# Altium PCB PCB.PcbDoc
Units mil, origin at the board's own origin, x right, y up, seen from the top; angles counter-clockwise.
Board outline 1417.32 x 1299.21 mil, 2 copper layers (Top Layer, Bottom Layer); 76 components, 82 nets, 359 pads, 137 vias.
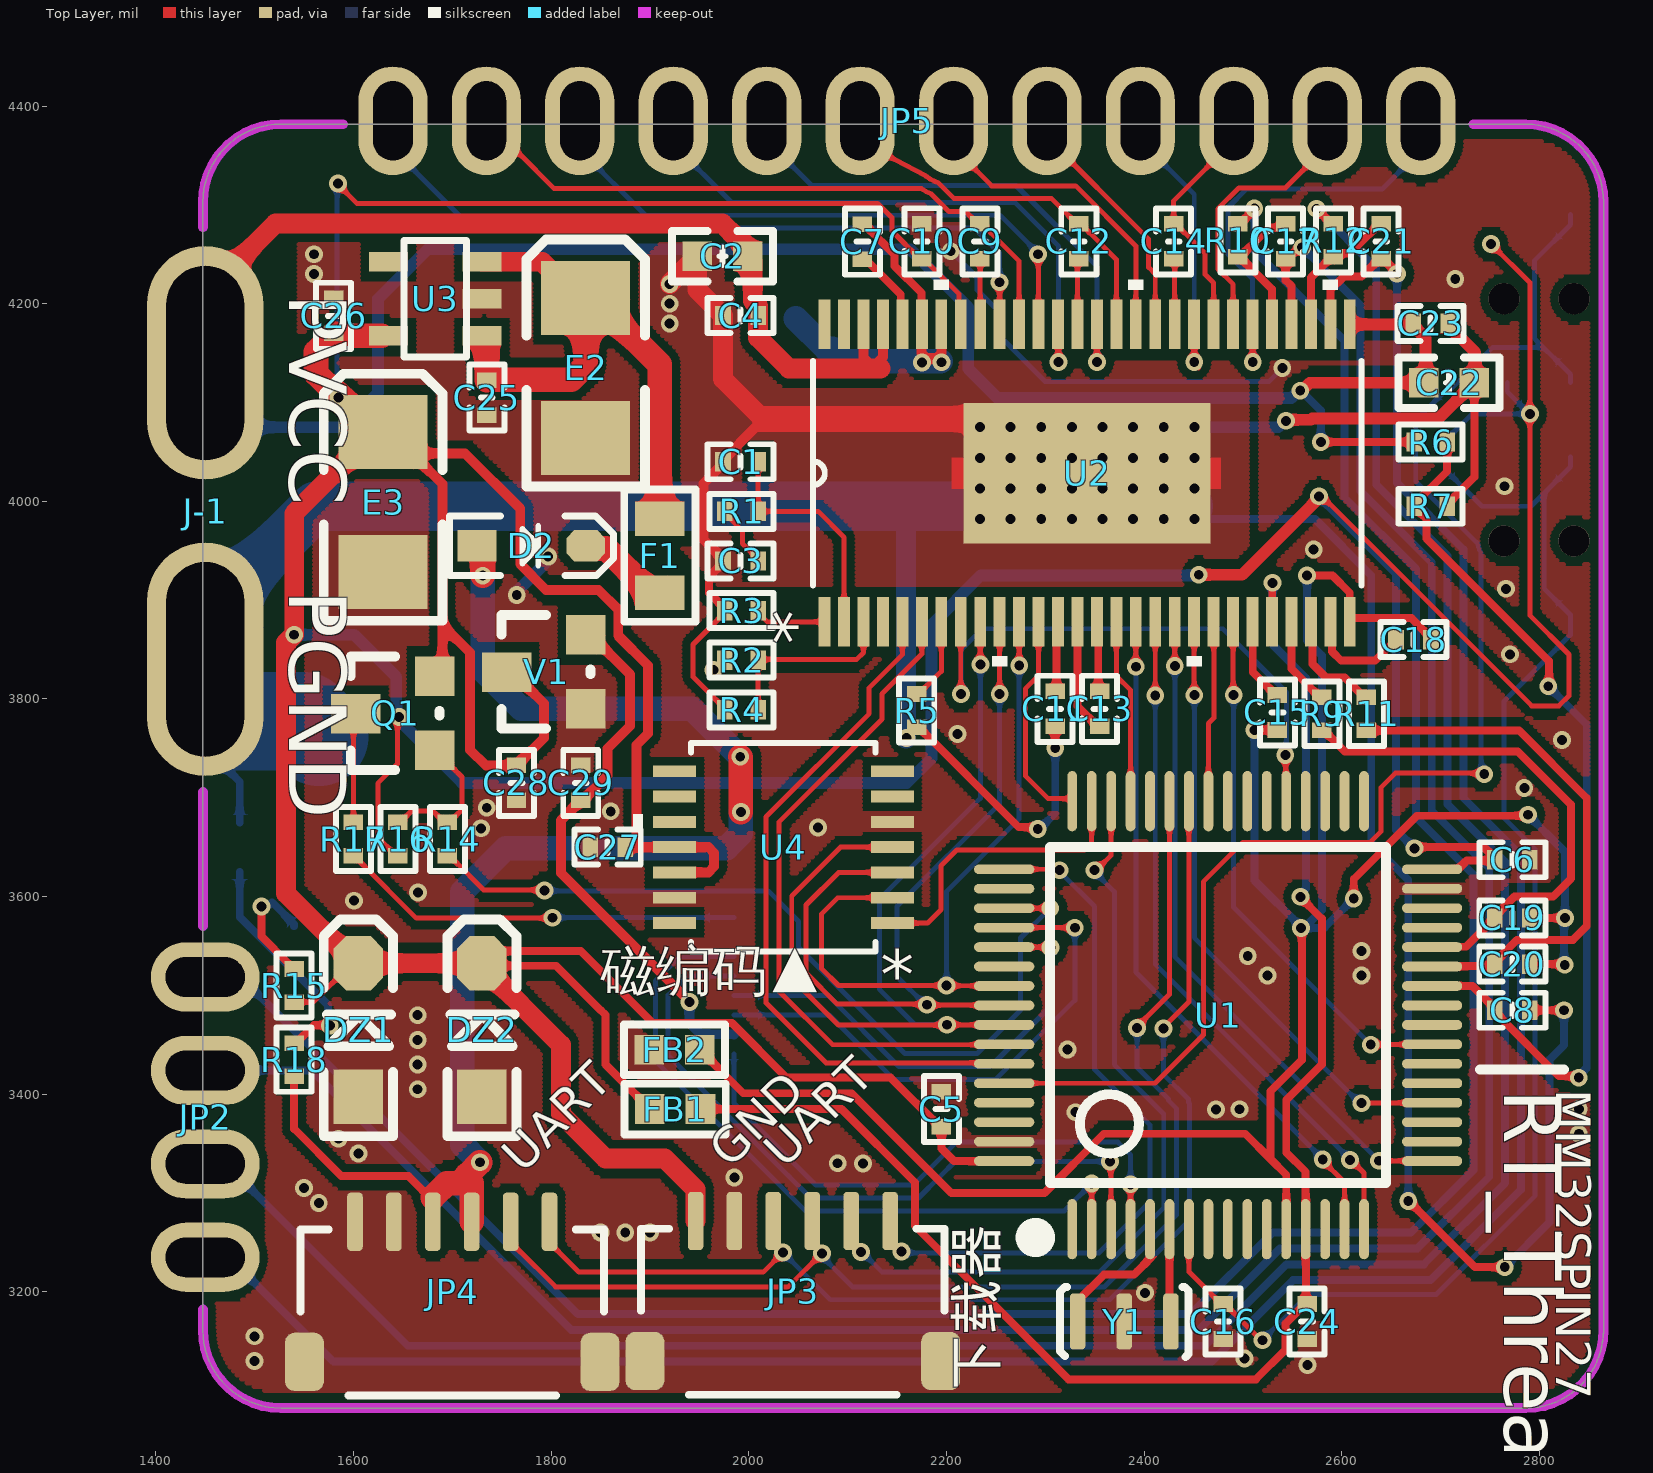
[diagram p0: Top Layer view]
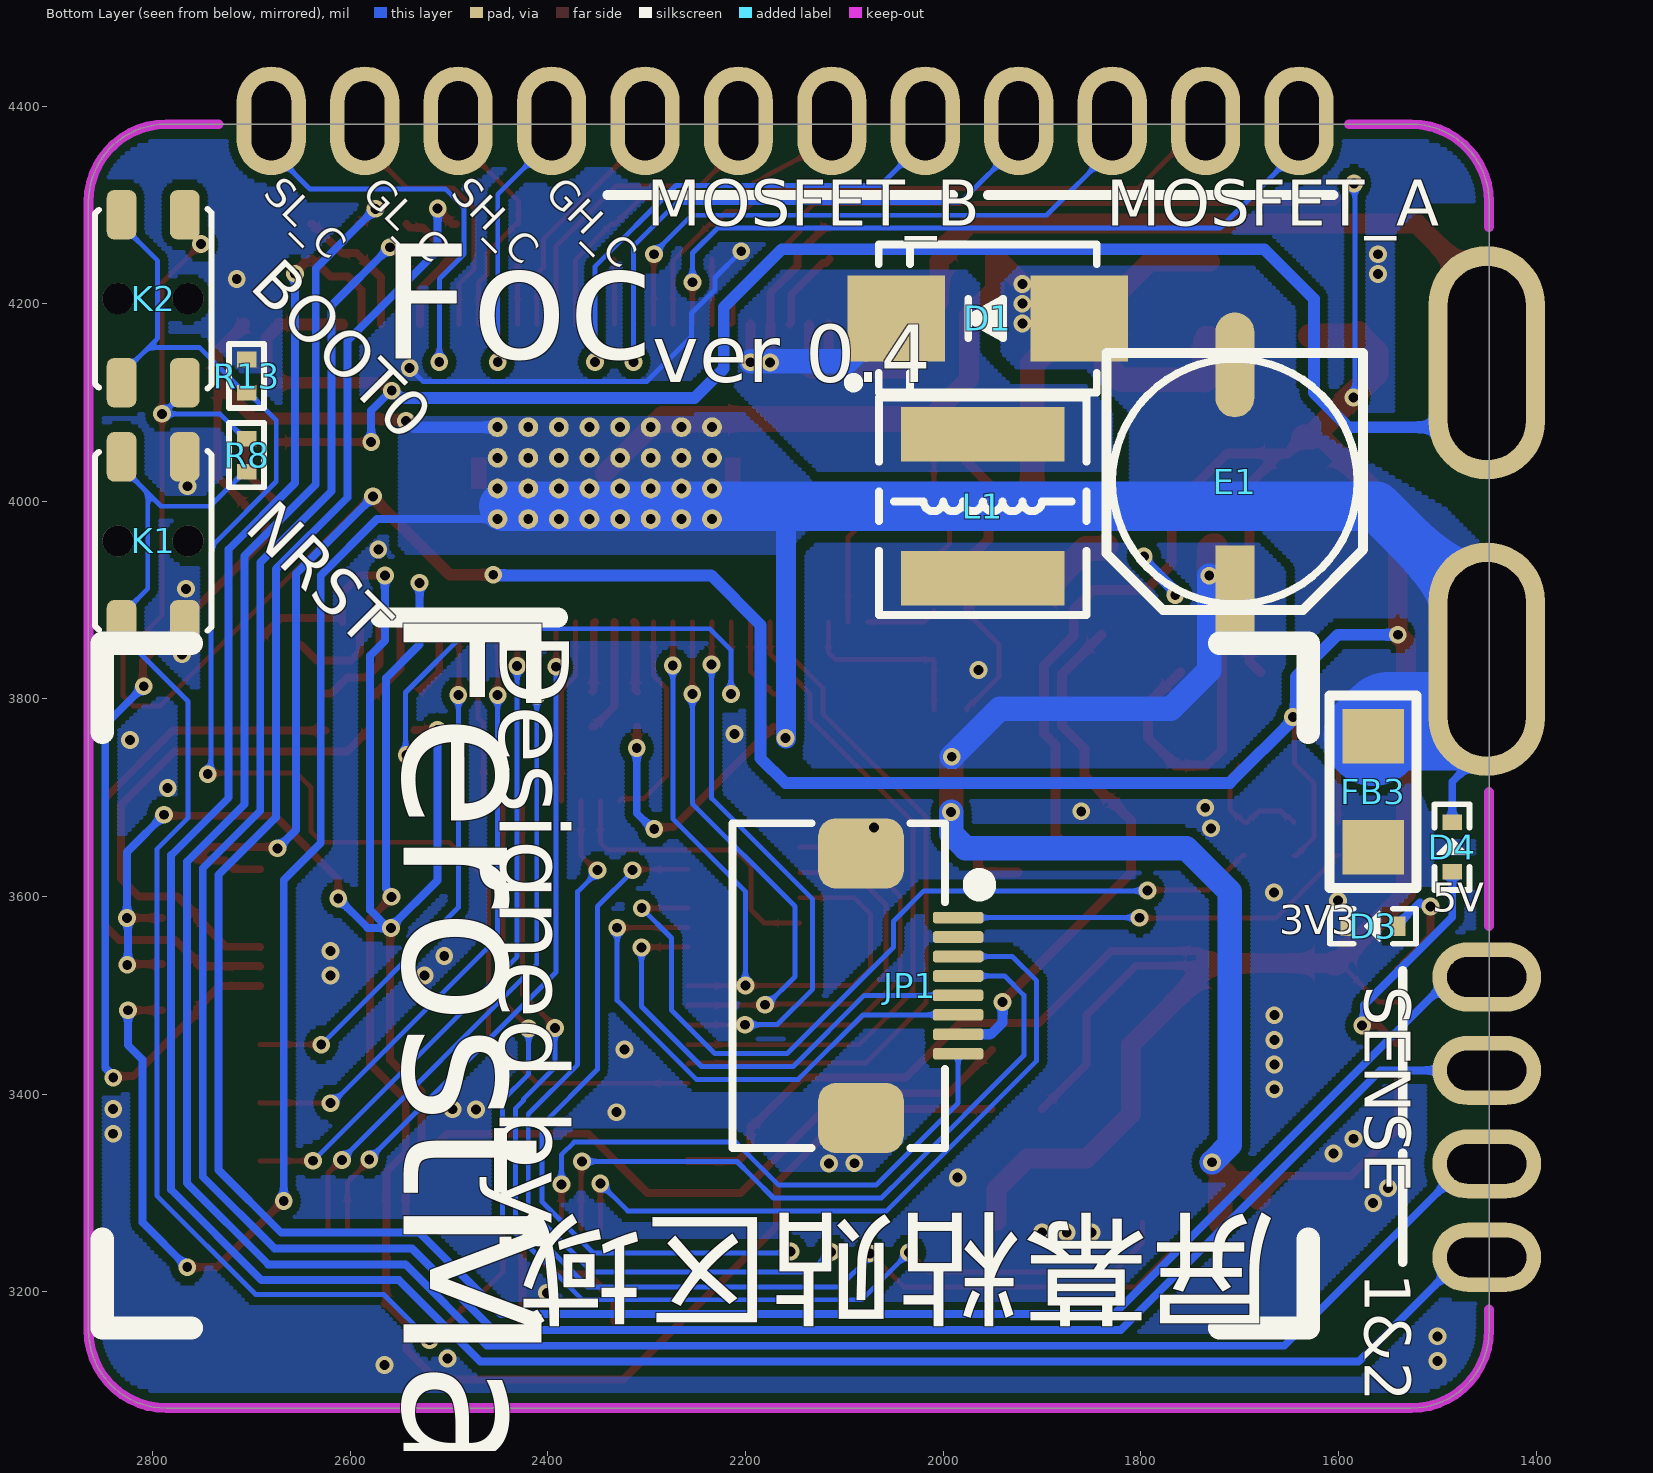
[diagram p1: Bottom Layer view, seen from below]
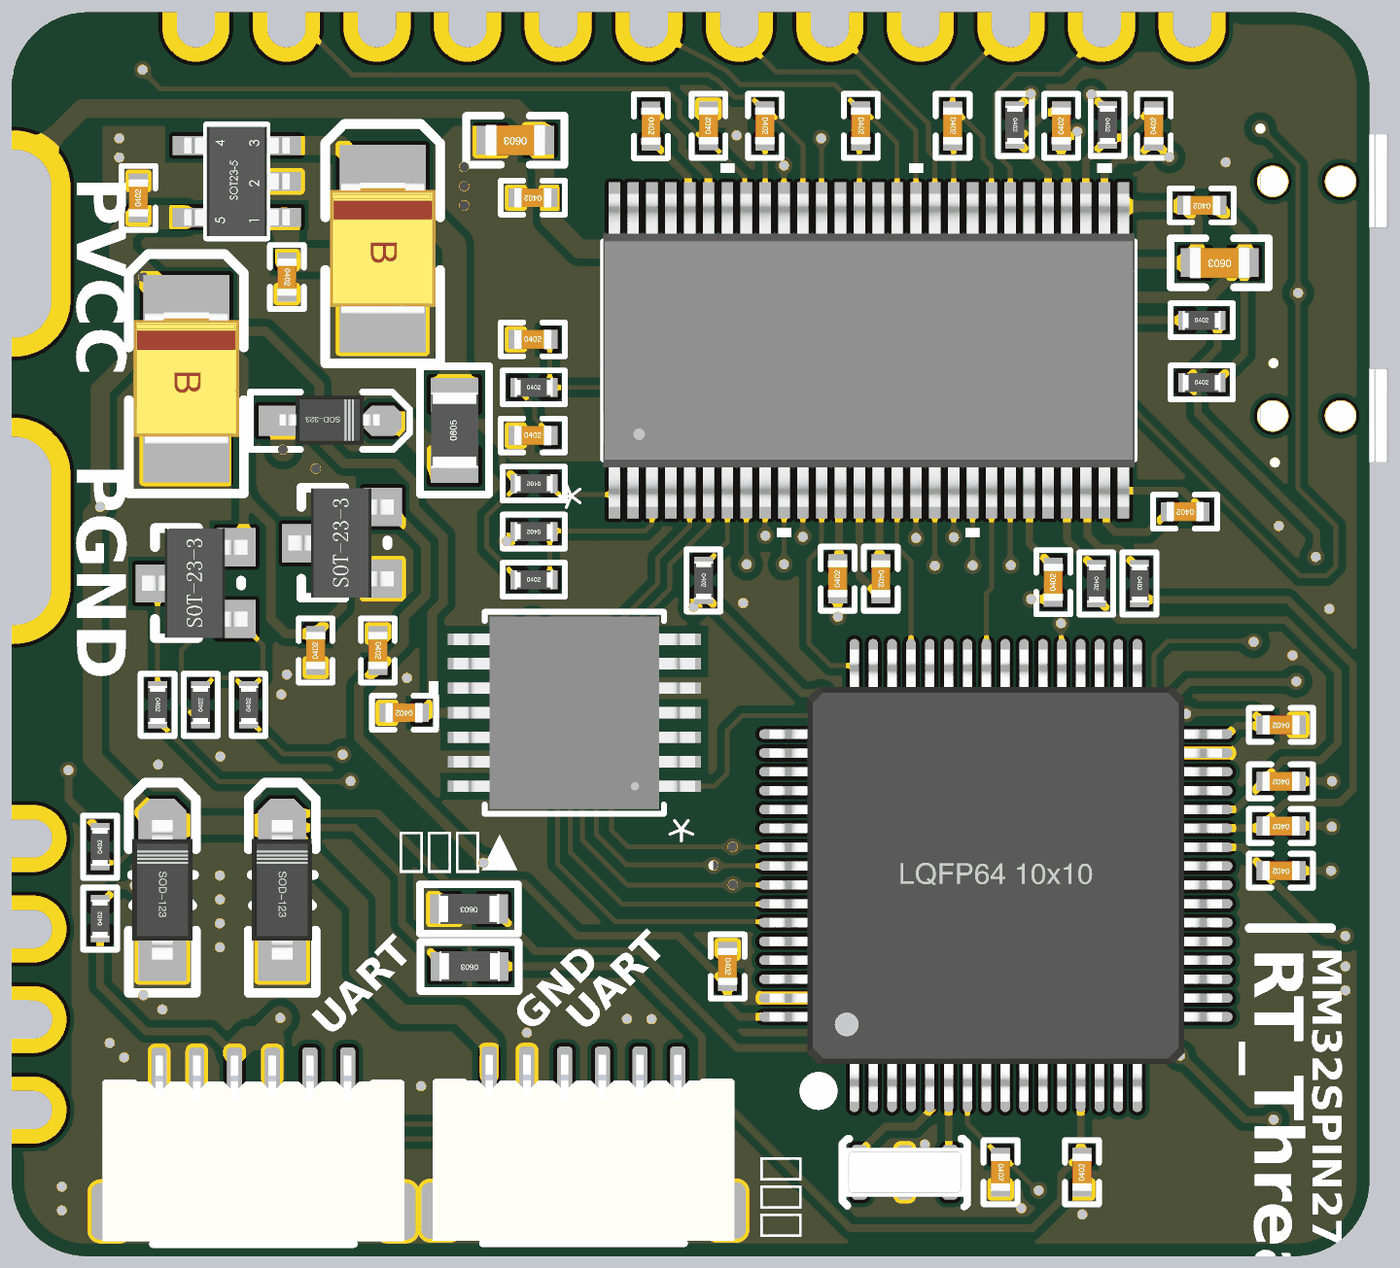
[diagram p2: 3D render of the assembled board from above, using the file's embedded part models]
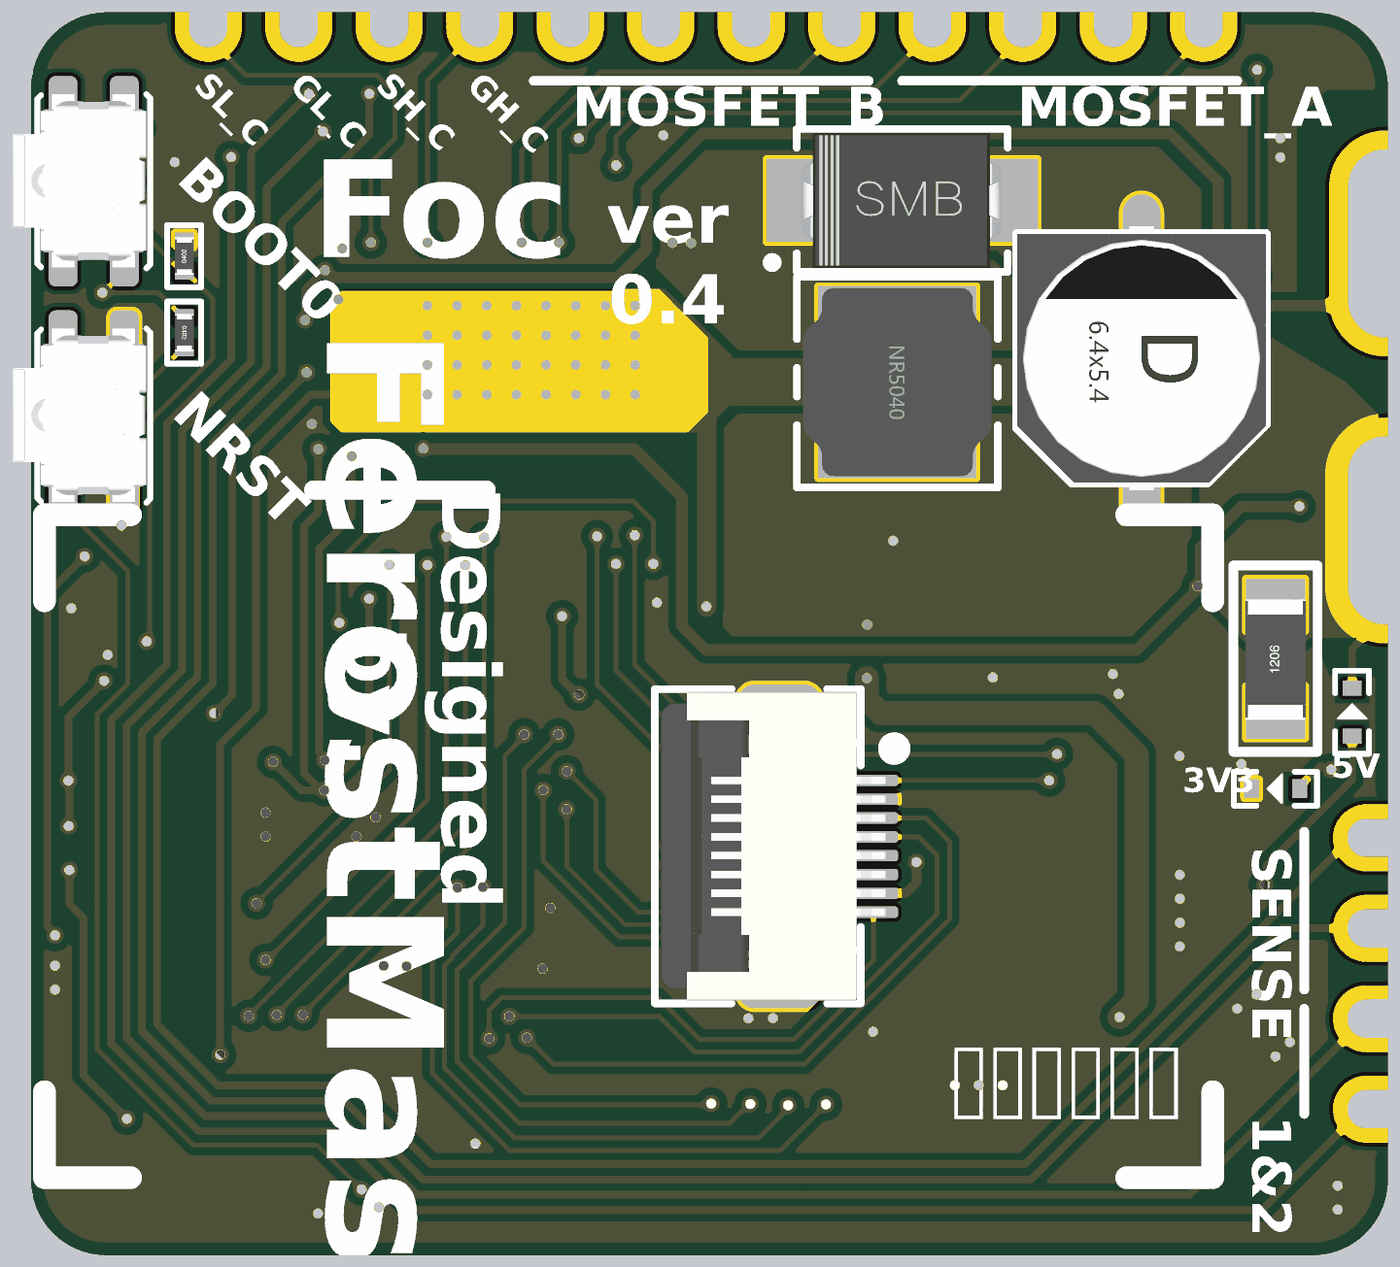
[diagram p3: 3D render of the assembled board from below, using the file's embedded part models]

## Layer stack, top to bottom
Top Solder: solder mask 0.4, Solder Resist, Dk 3.5
Top Layer: signal copper 1.4
Dielectric 1: dielectric 12.6, FR-4, Dk 4.8
Bottom Layer: signal copper 1.4
Bottom Solder: solder mask 0.4, Solder Resist, Dk 3.5

## Board outline
1447.67,3161.13 1447.67,4302.86 cw(c1526.41,4302.86) 1526.41,4381.6 2786.25,4381.6 cw(c2786.25,4302.86) 2864.99,4302.86 2864.99,3161.13 cw(c2786.25,3161.13) 2786.25,3082.39 1526.41,3082.39 cw(c1526.41,3161.13)

## Design rules (kind name [scope] priority, off if disabled: settings)
Clearance [All] p1: gap=8 ignorepadtopadclearanceinfootprint=TRUE
PlaneConnect [All] p1: planeconnectstyle=Direct reliefexpansion=20 reliefentries=4 reliefconductorwidth=10 reliefairgap=10
PolygonConnect [All] p1: connectstyle=Direct reliefconductorwidth=30 reliefentries=4 polygonreliefangle="90 Angle" airgapwidth=10
RoutingVias [All] p1: holewidth=12 width=24 viastyle="Through Hole" minholewidth=12 minwidth=24 maxholewidth=12 maxwidth=24
SolderMaskExpansion [All] p1: expansion=4 istentingtop=FALSE
Width [All] p1 off: maxlimit=10 minlimit=10 preferedwidth=10
29 further rules are at their usual default settings.

## Components (designator, comment, footprint, x,y, rotation, side; value= is the part's Value field where it differs from the comment)
C1 "82pF" C0402_L 1991.71,4040 r0 top
C2 "4.7uF" C0603_L 1973.41,4248 r180 top
C3 "270pF" C0402_L 1991.71,3939.6 r0 top
C4 "100nF" C0402_L 1991.71,4188 r180 top
C5 "100nF" C0402_L 2195,3385 r270 top
C6 "100nF" C0402_L 2772.79,3637.29 r180 top
C7 "100nF" C0402_L 2115,4262.71 r270 top
C8 "100nF" C0402_L 2772.71,3485 r180 top
C9 "100nF" C0402_L 2234,4263 r270 top
C10 "100nF" C0402_L 2175.14,4263.08 r90 top
C11 "2.2uF" C0402_L 2310,3790 r90 top
C12 "100nF" C0402_L 2334,4263 r270 top
C13 "22nF" C0402_L 2355,3790 r270 top
C14 "100nF" C0402_L 2430,4263 r270 top
C15 "2.2uF" C0402_L 2535,3786.29 r90 top
C16 "100nF" C0402_L 2480,3170 r270 top
C17 "2.2nF" C0402_L 2543.33,4263 r90 top
C18 "2.2uF" C0402_L 2672.71,3860 r180 top
C19 "2.2nF" C0402_L 2772.71,3578.33 r180 top
C20 "2.2nF" C0402_L 2772.71,3531.66 r180 top
C21 "2.2nF" C0402_L 2640,4263 r90 top
C22 "4.7uF" C0603_L 2708.72,4120 r180 top
C23 "100nF" C0402_L 2690,4180 r180 top
C24 "100nF" C0402_L 2565,3170 r90 top
C25 "100nF" C0402_L 1735,4105 r270 top
C26 "100nF" C0402_L 1580,4187.72 r90 top
C27 "100nF" C0402_L 1857.28,3650 r180 top
C28 "1uF" C0402_L 1765,3715 r90 top
C29 "1uF" C0402_L 1830,3715 r270 top
D1 "SS54" SMB 1955,4185 r0 bottom
D2 "B5919WS" SOD-323 1780,3955 r0 top
D3 "LED-W" "LED 0402" 1565,3570 r0 bottom
D4 "LED-W" "LED 0402" 1485,3650 r90 bottom
DZ1 "PTVS3V3S1UR" SOD-123 1605,3465 r90 top
DZ2 "BZT52C3V6" SOD-123 1730,3465 r90 top
E1 "68uF/10V" "CE D(6.3*5.4)" 1705,4020 r270 bottom
E2 "10uF/16V" C_3528 1835,4135 r270 top
E3 "47uF/10V" C_3528 1630.01,3999.13 r270 top
F1 "350mA" R0805_L 1910,3945 r90 top
FB1 "0R" R0603_L 1925.59,3385 r180 top
FB2 "0R" R0603_L 1925,3445 r180 top
FB3 "0R" R1206_L 1565,3705 r90 bottom
J-1 "Conects" CONNECTER-PWR 1450,4140 r90 top
JP1 "IPS1.14" "IPS1.14 FPC0.5 2H-WS-8P" 2083.31,3509.84 r270 bottom
JP2 "HDR-1X4" CONNECTER-STAMPS-4P 1450,3235 r90 top
JP3 "CON-6P" SH1.0-6P 2044.61,3200.87 r0 top
JP4 "CON-6P" SH1.0-6P 1700,3200 r0 top
JP5 "Header 6X2" CONNECTER-STAMPS-12P 2680,4385 r180 top
K1 "TACT 4P" ButtonTACT_3.5*3.55_90 2799.57,3960 r90 bottom value=3.4x3.5
K2 "TACT 4P" ButtonTACT_3.5*3.55_90 2799.57,4205 r90 bottom value=3.4x3.5
L1 "22uH" NR5040 1960,3995 r270 bottom
Q1 "SS8550" SOT23 1682.9,3743.12 r90 top
R1 "47K" R0402_L 1992.69,3989.8 r0 top
R2 "18K" R0402_L 1992.69,3839.2 r180 top
R3 "220K" R0402_L 1992.69,3889.4 r180 top
R4 "3.3K" R0402_L 1992.69,3789 r0 top
R5 "18K" R0402_L 2170,3788.27 r270 top
R6 "300K" R0402_L 2690,4060 r0 top
R7 "100K" R0402_L 2690,3995 r0 top
R8 "10K" R0402_L 2705,4046.73 r270 bottom
R9 "22R" R0402_L 2580,3785 r270 top
R10 "120R" R0402_L 2495,4263.98 r270 top
R11 "22R" R0402_L 2625,3785 r270 top
R12 "120R" R0402_L 2591.67,4263.98 r270 top
R13 "10K" R0402_L 2705,4126.73 r90 bottom
R14 "1K" R0402_L 1695,3658.27 r90 top
R15 "2.7K" R0402_L 1540,3510 r90 top
R16 "10K" R0402_L 1645,3658.27 r90 top
R17 "10R" R0402_L 1600,3658.27 r270 top
R18 "10K" R0402_L 1540,3435 r90 top
U1 "MM32SPIN27PS" "LQFP64 10x10_L" 2475,3480 r0 top
U2 "DRV8301DCA" DCA56_6P35X3P61 2342.5,4028.5 r90 top
U3 "RT9013-33" SOT23-5 1730,4167.6 r90 top
U4 "AS5047P-ATST" TSSOP-14_AMS-L 2035,3650 r180 top
V1 "XC6206P332MR" SOT23 1835.63,3785.12 r90 top
Y1 "8MHz" 晶振-3P 2380,3170 r180 top

## Footprints (in the part's own frame and the unit in brackets; to place one, negate y for a bottom-side part, rotate by r counter-clockwise, add the part's x,y. Pads: shape width x height; smd on the part's side, far side on the other; paste and mask are expansions set on the pad)
ButtonTACT_3.5*3.55_90 [mil]
  rrect50% 50x30 smd: 1(-85,32) 2(-85,-32) 3(85,32) 4(85,-32)
  round 31.5 hole 31.5: ""(0,-35.43) ""(0,35.43)
  silkscreen extent -91,-59 91,59, body extent -90,-55 91,85, height 56
C0402_L [mm] "贴片MLCC电容"
  rect 0.4x0.5 smd: 1(-0.45,0) 2(0.45,0)
  silkscreen extent -0.85,-0.45 0.85,0.45, body extent -0.5,-0.26 0.5,0.26, height 0.54
C0603_L [mil] "贴片MLCC电容"
  rect 30x30 smd: 1(-25.59,0) 2(25.59,0)
  silkscreen extent -51,-26 51,26, body extent -31,-16 32,16, height 33
C_3528 [mil] "长3.5mm，宽2.8mm，厚1.9mm            联系卖家 免费查找封装"
  rect 75x90 smd: 1(-70.87,-0.01) 2(70.86,-0.01)
  silkscreen extent -130,-60 120,60, body extent -69,-55 69,55, height 76
"CE D(6.3*5.4)" [mm] "贴片电解电容，直径6.3mm，高5.4mm"
  rect 2.7x1 smd: 1(3,0)
  oval 2.7x1 smd: 2(-3,0)
  silkscreen extent -3.3,-3.3 3.3,3.3, body extent -3.5,-3.3 3.5,3.3, height 5.45
CONNECTER-PWR [mm]
  oval 6x3 hole 5 slot 2 at 90 deg: 1(0,0) 2(-7.62,0)
CONNECTER-STAMPS-4P [mil] "邮票孔连接"
  oval 70x110 hole 40 slot 80 at 90 deg: 1(0,0) 2(94.55,0) 3(189.09,0) 4(283.64,0)
CONNECTER-STAMPS-12P [mil] "邮票孔连接"
  oval 70x110 hole 40 slot 80 at 90 deg: 1(0,0) 2(94.55,0) 3(189.09,0) 4(283.64,0) 5(378.18,0) 6(472.73,0) 7(567.27,0) 8(661.82,0) 9(756.36,0) 10(850.91,0) 11(945.45,0) 12(1040,0)
DCA56_6P35X3P61 [mil]
  rect 50x12 smd: 1(-150.5,265.75) 2(-150.5,246.06) 3(-150.5,226.38) 4(-150.5,206.69) 5(-150.5,187.01) 6(-150.5,167.32) 7(-150.5,147.64) 8(-150.5,127.95) 9(-150.5,108.27) 10(-150.5,88.58) 11(-150.5,68.9) 12(-150.5,49.21) 13(-150.5,29.53) 14(-150.5,9.84) 15(-150.5,-9.84) 16(-150.5,-29.53) 17(-150.5,-49.21) 18(-150.5,-68.9) 19(-150.5,-88.58) 20(-150.5,-108.27) 21(-150.5,-127.95) 22(-150.5,-147.64) 23(-150.5,-167.32) 24(-150.5,-187.01) 25(-150.5,-206.69) 26(-150.5,-226.38) 27(-150.5,-246.06) 28(-150.5,-265.75) 29(150.5,-265.75) 30(150.5,-246.06) 31(150.5,-226.38) 32(150.5,-206.69) 33(150.5,-187.01) 34(150.5,-167.32) 35(150.5,-147.64) 36(150.5,-127.95) 37(150.5,-108.27) 38(150.5,-88.58) 39(150.5,-68.9) 40(150.5,-49.21) 41(150.5,-29.53) 42(150.5,-9.84) 43(150.5,9.84) 44(150.5,29.53) 45(150.5,49.21) 46(150.5,68.9) 47(150.5,88.58) 48(150.5,108.27) 49(150.5,127.95) 50(150.5,147.64) 51(150.5,167.32) 52(150.5,187.01) 53(150.5,206.69) 54(150.5,226.38) 55(150.5,246.06) 56(150.5,265.75)
  round 20 hole 10: 57(-46.5,77.5) 57(-46.5,108.5) 57(-46.5,-46.5) 57(-46.5,-15.5) 57(-46.5,15.5) 57(-46.5,46.5) 57(-46.5,-108.5) 57(-46.5,-77.5) 57(-15.5,108.5) 57(-15.5,77.5) 57(-15.5,46.5) 57(-15.5,15.5) 57(-15.5,-15.5) 57(-15.5,-46.5) 57(-15.5,-77.5) 57(-15.5,-108.5) 57(15.5,108.5) 57(15.5,77.5) 57(15.5,46.5) 57(15.5,15.5) 57(15.5,-15.5) 57(15.5,-46.5) 57(15.5,-77.5) 57(15.5,-108.5) 57(46.5,77.5) 57(46.5,108.5) 57(46.5,-46.5) 57(46.5,-15.5) 57(46.5,15.5) 57(46.5,46.5) 57(46.5,-108.5) 57(46.5,-77.5)
  rect 142.13x250 smd mask-124.5: 57(0,0)
  Top Layer region: 15.75,-120.04 -15.75,-120.04 -15.75,-120.04 -15.75,-120.04 -15.75,-135 15.75,-135 15.75,-120.04 15.75,-120.04
  Top Layer region: 15.75,122.05 -15.75,122.05 -15.75,122.05 -15.75,122.05 -15.75,137.01 15.75,137.01 15.75,122.05 15.75,122.05
  silkscreen extent -196,-278 196,278, body extent -164,-277 164,277, height 67
"IPS1.14 FPC0.5 2H-WS-8P" [mm] "长：8.2mm，宽：5.2mm，高：2mm 下接"
  rrect50% 1.8x2.2 smd: 0(-3.4,0) 0(3.4,0)
  rrect50% 0.3x1.3 smd: 1(-1.75,2.497) 2(-1.25,2.497) 3(-0.75,2.497) 4(-0.25,2.497) 5(0.25,2.497) 6(0.75,2.497) 7(1.25,2.497) 8(1.75,2.497)
  silkscreen extent -8.8,-19.5 8.8,11.5, body extent -4.1,-3.15 4.1,2.85, height 2
"LED 0402" [mm] "0402发光二极管"
  rect 0.4x0.5 smd: 1(-0.635,0) 2(0.635,0)
  silkscreen extent -1.1,-0.45 1.1,0.45
"LQFP64 10x10_L" [mm] "64脚，体宽10x10mm，脚距0.5mm"
  oval 0.25x1.55 smd: 1(-3.75,-5.5) 2(-3.25,-5.5) 3(-2.75,-5.5) 4(-2.25,-5.5) 5(-1.75,-5.5) 6(-1.25,-5.5) 7(-0.75,-5.5) 8(-0.25,-5.5) 9(0.25,-5.5) 10(0.75,-5.5) 11(1.25,-5.5) 12(1.75,-5.5) 13(2.25,-5.5) 14(2.75,-5.5) 15(3.25,-5.5) 16(3.75,-5.5) 33(3.75,5.5) 34(3.25,5.5) 35(2.75,5.5) 36(2.25,5.5) 37(1.75,5.5) 38(1.25,5.5) 39(0.75,5.5) 40(0.25,5.5) 41(-0.25,5.5) 42(-0.75,5.5) 43(-1.25,5.5) 44(-1.75,5.5) 45(-2.25,5.5) 46(-2.75,5.5) 47(-3.25,5.5) 48(-3.75,5.5)
  oval 1.55x0.25 smd: 17(5.5,-3.75) 18(5.5,-3.25) 19(5.5,-2.75) 20(5.5,-2.25) 21(5.5,-1.75) 22(5.5,-1.25) 23(5.5,-0.75) 24(5.5,-0.25) 25(5.5,0.25) 26(5.5,0.75) 27(5.5,1.25) 28(5.5,1.75) 29(5.5,2.25) 30(5.5,2.75) 31(5.5,3.25) 32(5.5,3.75) 49(-5.499,3.75) 50(-5.499,3.25) 51(-5.499,2.75) 52(-5.499,2.25) 53(-5.499,1.75) 54(-5.499,1.25) 55(-5.499,0.75) 56(-5.499,0.25) 57(-5.499,-0.25) 58(-5.499,-0.75) 59(-5.499,-1.25) 60(-5.499,-1.75) 61(-5.499,-2.25) 62(-5.499,-2.75) 63(-5.499,-3.25) 64(-5.499,-3.75)
  silkscreen extent -4.95,-5.96 4.32,4.32, body extent -6,-6 6,6, height 1.45
NR5040 [mm] "5.0mm*5.0mm*4.0mm(长*宽*高）"
  rect 1.4x4.2 smd: 1(-1.85,0) 2(1.85,0)
  silkscreen extent -2.79,-2.67 2.79,2.67, body extent -2.5,-2.5 2.5,2.5, height 4.1
R0402_L [mm] "1/16W贴片电阻"
  rect 0.4x0.5 smd: 1(-0.425,0) 2(0.425,0)
  silkscreen extent -0.82,-0.45 0.83,0.45, body extent -0.5,-0.25 0.5,0.25, height 0.3
R0603_L [mil] "1/10W贴片电阻"
  rect 30x30 smd: 1(-25.59,0) 2(25.59,0)
  silkscreen extent -51,-26 51,26, body extent -31,-16 32,16, height 16
R0805_L [mil] "1/8W贴片电阻"
  rect 35x50 smd: 1(-37.4,0) 2(37.4,0)
  silkscreen extent -67,-36 67,36, body extent -39,-25 39,25, height 20
R1206_L [mil] "1/4W贴片电阻"
  rect 55x62 smd: 1(-55.12,0) 2(57.09,0)
  silkscreen extent -96,-44 98,44, body extent -63,-31 63,31, height 22
SH1.0-6P [mm] "SH1.0连接器-卧贴-6P                 联系卖家 免费查找封装"
  rrect50% 1x1.5 smd: 0(-3.8,-1.8) 0(3.8,-1.8)
  rrect50% 0.4x1.5 smd: 1(-2.5,1.8) 2(-1.5,1.8) 3(-0.5,1.8) 4(0.5,1.8) 5(1.5,1.8) 6(2.5,1.8)
  silkscreen extent -3.9,-2.67 3.9,1.6, body extent -4,-2.6 4,2.35, height 2.9
SMB [mm] "4.7*3.9*2.2mm(长宽高，不包括引脚）"
  rect 2.5x2.2 smd: 1(-2.35,0) 2(2.35,0)
  silkscreen extent -2.8,-1.9 3.58,1.9, body extent -2.63,-1.8 2.67,1.8, height 2.35
SOD-123 [mil] "2.7x1.6X1.1mm（长宽高，不包括引脚）"
  rect 55x50 smd: 1(-67.5,0)
  oct 55x50 smd: 2(67.5,0)
  silkscreen extent -108,-35 112,35, body extent -73,-31 73,31, height 48
SOD-323 [mm] "1.8x1.3X0.9mm（长宽高，不包括引脚）"
  rect 1x0.8 smd: 1(-1.4,0)
  oct 1x0.8 smd: 2(1.4,0)
  silkscreen extent -2.11,-0.76 2.11,0.76, body extent -1.34,-0.63 1.31,0.67, height 1
SOT23 [mil]
  rect 40x40 smd: 1(4.88,0.63) 2(79.88,0.63)
  rect 40x50 smd: 3(41.88,80.63)
  silkscreen extent -15,-4 100,86, body extent -15,-11 99,99, height 47
SOT23-5 [mm]
  rect 0.5x1 smd: 1(0,0) 2(0.95,0) 3(1.9,0) 4(1.9,2.4) 5(0,2.4)
  silkscreen extent -0.55,0.4 2.45,2, body extent -0.5,-0.2 2.4,2.6, height 1.09
TSSOP-14_AMS-L [mil]
  rect 43.5x12 smd paste+0 mask+0: 1(-110.25,76.77) 2(-110.25,51.18) 3(-110.25,25.59) 4(-110.25,0) 5(-110.25,-25.59) 6(-110.25,-51.18) 7(-110.25,-76.77) 8(110.25,-76.77) 9(110.25,-51.18) 10(110.25,-25.59) 11(110.25,0) 12(110.25,25.59) 13(110.25,51.18) 14(110.25,76.77)
  silkscreen extent -94,-106 152,106, body extent -126,-101 126,101, height 47
晶振-3P [mm] "贴片晶振"
  rrect50% 0.4x1.45 smd: 1(-1.2,0) 2(0,0) 3(1.2,0)
  silkscreen extent -1.65,-0.89 1.65,0.91, body extent -1.6,-0.89 1.65,0.89, height 0.7

## Part data
C1 C2 C3 C4 C5 C6 C7 C8 C9 C10 C11 C12 C13 C14 C15 C16 C17 C18 C19 C20 C21 C22 C23 C24 C25 C26 C27 C28 C29: library part C, "电容", BOM名称=无极性贴片电容, 学习资源=www.ooocke.com, 版权归属=源创客
D1 DZ1 DZ2: "二极管", 以赠品形式获赠本封装库的买家，还可联系卖家免费指导AD软件使用=封装库来自淘宝卖家ID：黄晶宝石
  D1: BOM名称=肖特基二极管, 属性=40V/5A
  DZ1 DZ2: BOM名称=30V/0.5W稳压管
D2: library part 1N5819, "二极管", BOM名称=肖特基二极管, 以赠品形式获赠本封装库的买家，还可联系卖家免费指导AD软件使用=封装库来自淘宝卖家ID：黄晶宝石
D3 D4: library part LED-White, "二极管"
E1: library part C-CM, "电容", BOM名称=贴片电解电容, 学习资源=www.ooocke.com, 版权归属=源创客
E2 E3: library part C-CD, "电容", BOM名称=贴片电解电容, 学习资源=www.ooocke.com, 版权归属=源创客
F1: library part FUSE, "可复位保险丝"
FB1 FB2 FB3: library part FB, "磁珠"
J-1: "插接件", BOM名称=USB-A型母接口, 学习资源=www.ooocke.com, 版权归属=源创客
JP1: "显示屏", BOM名称=FPC连接器, 学习资源=www.ooocke.com, 版权归属=源创客
JP2: library part "Header 4", "插接件", BOM名称=4P接插件, 封装库来自淘宝卖家ID:黄晶宝石=其他店铺购入均为盗版假冒封装库，请立即申请退款，本店现金奖励20~200元, 联系卖家，免费查找封装=唯一出售店铺网址https://shop463601444.taobao.com
JP3 JP4: library part SH1.0-6P, "插接件", BOM名称=6P连接器, 联系卖家 免费技术支持=封装库来自淘宝卖家ID：黄晶宝石, 联系卖家 免费查找封装=唯一出售店铺网址https://shop463601444.taobao.com
JP5: library part "Header  6X2", "插接件", BOM名称=6*2P接插件, 封装库来自淘宝卖家ID:黄晶宝石=其他店铺购入均为盗版假冒封装库，请立即申请退款，本店现金奖励20~200元, 联系卖家，免费查找封装=唯一出售店铺网址https://shop463601444.taobao.com
K1 K2: library part ButtonTACT, "轻触开关", type="TACT 4P"
L1: library part L-CD, "电感", BOM名称=功率电感, 学习资源=www.ooocke.com, 版权归属=源创客
Q1: library part 8550-DIP, "三极管", BOM名称=高频放大-PNP型, 学习资源=www.ooocke.com, 属性="40V 1.5A 1W 100MHZ", 版权归属=源创客
R1 R2 R3 R4 R5 R6 R7 R8 R9 R10 R11 R12 R13 R14 R15 R16 R17 R18: library part R, "电阻", BOM名称=贴片电阻, 学习资源=www.ooocke.com, 版权归属=源创客
U1: "MCU"
U2: "No Description Available", Mfr_Name="Texas Instruments", Copyright="Copyright (C) 2021 Ultra Librarian. All rights reserved.", Manufacturer_Part_Number=DRV8301DCA, RefDes=RefDes, type=DEV
U3 V1: "IC"
  V1: BOM名称=线性稳压芯片, 学习资源=www.ooocke.com, 版权归属=源创客
U4: "No Description Available", Mfr_Name="ams OSRAM", Copyright="Copyright (C) 2022 Ultra Librarian. All rights reserved.", Manufacturer_Part_Number=AS5047P-ATST, RefDes=RefDes, type=DEV
Y1: library part 晶振-3Pin, "晶振"

## Via types
v1: diameter 18, hole 10, Top Layer to Bottom Layer, tented both sides, 137 vias
